# Allegro board BeagleBoard-X15_RevA2.brd (continued)
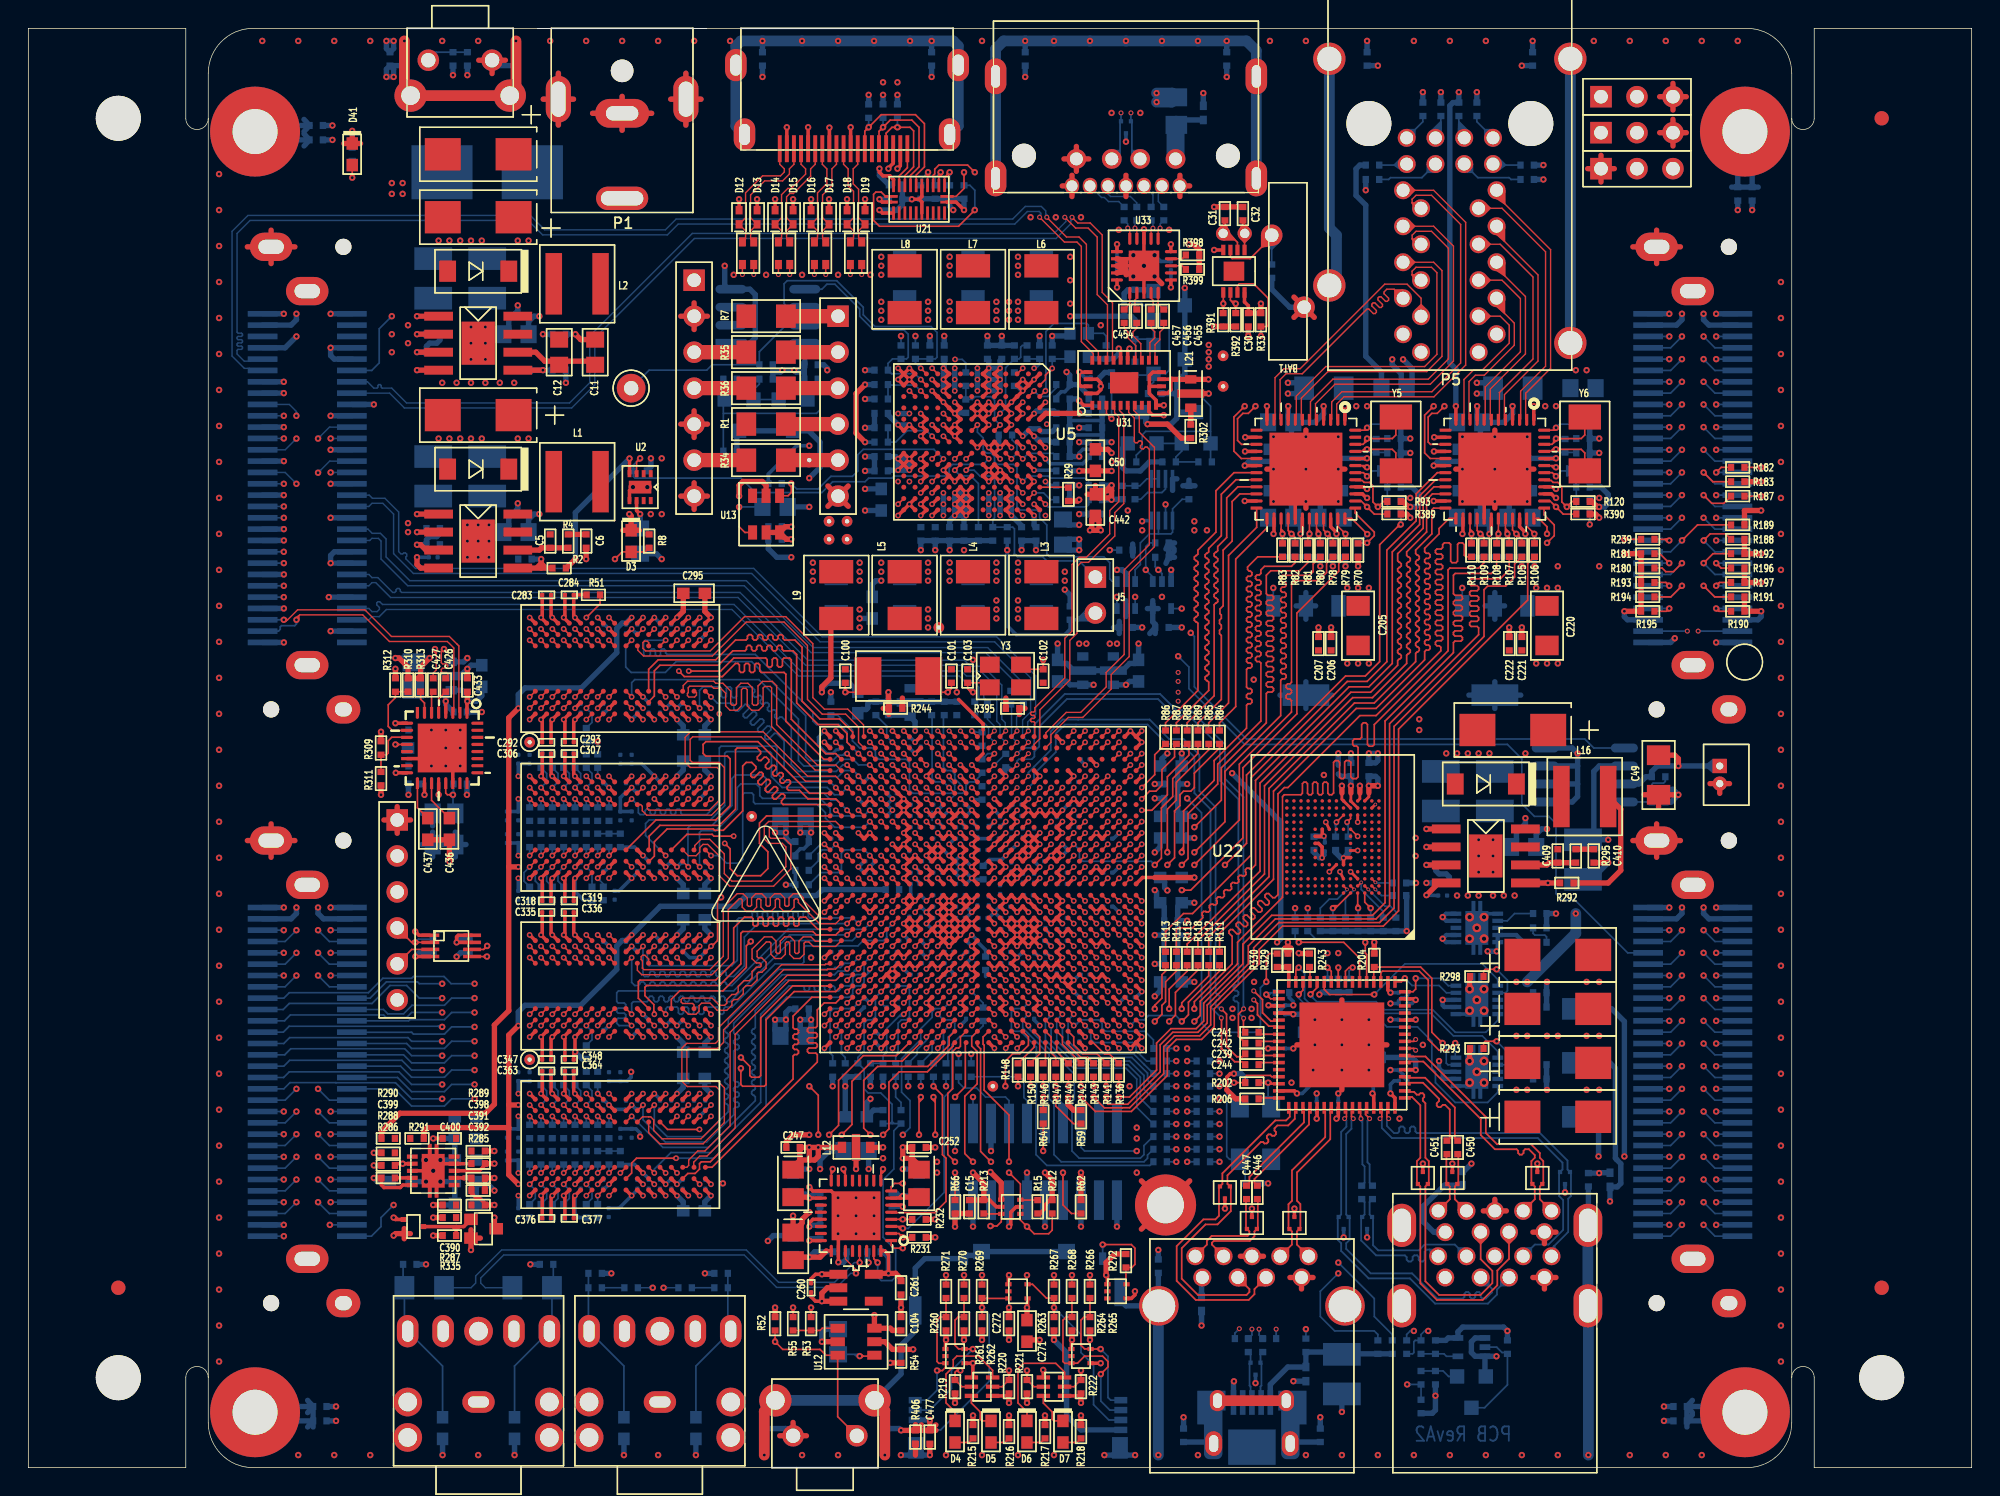
[diagram p0: board, top side]
## Routing (per net, layer and track width the routed paths; a pad name or vN(x,y) marks a point on that pad's centre or on a via; arc(x,y) is an arc through that point) (continued)
  BOTTOM w0.12: v1(39.38,48.01) 39.78,48.41 39.78,49 R362.1
DDR1_D0: length 23.9
  TOP w0.12: U11.AF25 v1(58.59,50.41) ; v1(44.98,58.41) U23.E3
  BOTTOM w0.12: v1(58.59,50.41) 57.79,51.21 57.79,51.94 57.28,52.45 55.63,52.45 55.37,52.7 55.37,53.34 51.31,57.4 45.08,57.4 44.98,57.51 44.98,57.68 44.87,57.78 44.72,57.78 44.62,57.68 44.62,57.38 44.51,57.28 44.36,57.28 44.26,57.38 44.26,57.68 44.15,57.78 44,57.78 43.9,57.68 43.9,57.38 43.79,57.28 43.55,57.28 43.43,57.4 43.43,58.29 43.55,58.41 v1(44.98,58.41)
DDR1_D1: length 24.1
  TOP w0.12: v1(42.58,58.41) U23.H3 ; U11.AF26 v1(57.79,50.41)
  BOTTOM w0.12: v1(57.79,50.41) 57.67,50.29 57.15,50.29 56.77,49.91 55.12,49.91 54.86,50.16 54.86,53.09 51.05,56.9 45.72,56.9 44.96,56.13 42.55,56.13 42.16,56.52 42.16,57.99 v1(42.58,58.41)
DDR1_D2: length 24.3
  TOP w0.12: U23.F8 43.78,54.07 44.18,54.47 44.18,56.25 44.58,56.64 48.7,56.64 49.72,57.66 50.58,57.66 50.69,57.76 50.69,57.93 50.79,58.04 50.94,58.04 51.05,57.93 51.05,57.76 51.15,57.66 51.3,57.66 51.41,57.76 51.41,57.93 51.51,58.04 51.66,58.04 51.77,57.93 51.77,57.76 51.87,57.66 52.02,57.66 52.13,57.76 52.13,57.93 52.23,58.04 52.38,58.04 52.49,57.93 52.49,57.76 52.59,57.66 52.74,57.66 52.84,57.76 52.84,57.93 52.95,58.04 53.1,58.04 53.2,57.93 53.2,57.76 53.31,57.66 53.98,57.66 54.23,57.4 54.23,53.98 55.75,52.45 57.15,52.45 57.79,51.82 57.79,51.77 57.79,51.77 57.79,51.44 57.79,51.44 57.79,51.21 U11.AG26
DDR1_D3: length 24.1
  TOP w0.12: U11.AH26 58.19,51.92 57.26,52.85 55.86,52.85 54.61,54.1 54.61,57.91 54.1,58.42 53.38,58.42 53.27,58.53 53.27,58.7 53.17,58.8 53.02,58.8 52.91,58.7 52.91,58.53 52.81,58.42 52.66,58.42 52.55,58.53 52.55,58.7 52.45,58.8 52.3,58.8 52.19,58.7 52.19,58.53 52.09,58.42 51.94,58.42 51.83,58.53 51.83,58.7 51.73,58.8 51.58,58.8 51.47,58.7 51.47,58.53 51.37,58.42 51.22,58.42 51.11,58.53 51.11,58.7 51.01,58.8 50.86,58.8 50.76,58.7 50.76,58.53 50.65,58.42 49.91,58.42 48.51,57.02 44.45,57.02 43.78,56.36 U23.F7
DDR1_D4: length 24
  TOP w0.12: U11.AF24 v1(59.39,50.41) ; v1(43.38,59.21) U23.G2
  INT_L3 w0.094: v1(43.38,59.21) 43.08,59.21 42.93,59.06 42.93,58.28 43.08,58.14 44.44,58.14 44.63,58.33 44.63,59.36 44.92,59.66 48.93,59.66 55.5,53.09 56.3,53.09 57.69,51.69 57.91,51.69 59.2,50.41 v1(59.39,50.41)
DDR1_D5: length 23.6
  TOP w0.12: U11.AE24 v1(59.39,49.61) ; v1(42.58,54.41) U23.H7
  BOTTOM w0.12: v1(59.39,49.61) 58.6,49.61 58.2,50.01 57.37,50.01 56.9,49.53 54.74,49.53 54.36,49.91 54.36,52.83 51.56,55.63 42.8,55.63 42.58,55.41 v1(42.58,54.41)
DDR1_D6: length 24.3
  TOP w0.12: v1(44.18,59.21) U23.F2 ; U11.AF23 v1(60.19,50.41)
  INT_L3 w0.094: v1(44.18,59.21) 43.78,59.61 43.26,59.61 43.03,59.84 43.03,60.18 43.31,60.45 48.64,60.45 55.63,53.47 56.37,53.47 57.51,52.32 57.86,52.32 59.4,50.78 59.71,50.78 60.08,50.41 v1(60.19,50.41)
DDR1_D7: length 23.9
  TOP w0.12: U11.AE23 v1(60.19,49.61) ; v1(42.58,53.61) U23.H8
  SIG_L10 w0.094: v1(42.58,53.61) 42.93,53.25 42.93,52.7 43.69,51.94 47.62,51.94 51.94,47.62 60.33,47.62 60.58,47.88 60.58,49.21 v1(60.19,49.61)
DDR1_D8: length 21.5
  TOP w0.12: v1(45.78,54.41) U23.D7 ; U11.AC23 v1(60.19,48.01)
  INT_L3 w0.094: v1(45.78,54.41) 44.96,55.23 44.96,55.63 45.09,55.75 48.01,55.75 56.18,47.58 59.76,47.58 v1(60.19,48.01)
DDR1_D9: length 21.4
  TOP w0.12: v1(46.61,56.23) 48.86,56.23 49.78,57.15 52.04,57.15 52.15,57.04 52.15,56.62 52.25,56.52 52.4,56.52 52.51,56.62 52.51,57.04 52.61,57.15 52.76,57.15 52.87,57.04 52.87,56.62 52.97,56.52 53.12,56.52 53.23,56.62 53.23,57.04 53.33,57.15 53.73,57.15 53.85,57.03 53.85,52.83 56.27,50.41 56.99,50.41 U11.AF27 ; v1(46.58,58.41) U23.C3
  SIG_L5 w0.094: v1(46.61,56.23) 46.61,58.38 v1(46.58,58.41)
DDR1_D10: length 21.5
  TOP w0.12: v1(48.18,58.41) U23.A3 ; U11.AG27 v1(56.98,51.21)
  INT_L3 w0.094: v1(56.98,51.21) 56.63,51.56 55.88,51.56 55.64,51.81 55.64,52.31 53.06,54.89 52.94,54.89 52.41,54.36 52.29,54.36 52.21,54.44 52.21,54.56 52.74,55.09 52.74,55.21 52.66,55.29 52.55,55.29 52.03,54.77 51.91,54.77 51.83,54.85 51.83,54.97 52.35,55.49 52.35,55.6 52.26,55.69 52.15,55.69 51.63,55.17 51.51,55.17 51.43,55.25 51.43,55.37 51.95,55.89 51.95,56 51.86,56.09 51.75,56.09 51.23,55.57 51.11,55.57 51.03,55.65 51.03,55.77 51.55,56.28 51.55,56.4 51.47,56.48 51.35,56.48 50.83,55.97 50.71,55.97 50.63,56.05 50.63,56.17 51.15,56.68 51.15,56.8 50.99,56.96 50.86,56.96 50.55,56.64 50.42,56.64 48.65,58.41 v1(48.18,58.41)
DDR1_D11: length 21.7
  TOP w0.12: U11.AF28 56.15,50.01 53.47,52.68 53.47,56.01 53.34,56.13 51.73,56.13 51.62,56.24 51.62,56.66 51.52,56.77 51.37,56.77 51.26,56.66 51.26,56.24 51.16,56.13 51.01,56.13 50.91,56.24 50.91,56.66 50.8,56.77 50.65,56.77 50.55,56.66 50.55,56.24 50.44,56.13 50.29,56.13 50.19,56.24 50.19,56.66 50.08,56.77 49.91,56.77 48.98,55.84 46.3,55.84 v1(45.91,56.23) ; v1(46.58,53.61) U23.C8
  SIG_L5 w0.094: v1(45.91,56.23) 46.58,55.56 v1(46.58,53.61)
DDR1_D12: length 21.6
  TOP w0.12: U11.AE26 v1(57.79,49.61) ; v1(47.38,53.61) U23.B8
  BOTTOM w0.12: v1(47.38,53.61) 47.37,53.62 47.37,54.86 47.62,55.12 48.81,55.12 48.91,55.01 48.91,54.46 49.02,54.36 49.17,54.36 49.27,54.46 49.27,55.01 49.38,55.12 49.52,55.12 49.63,55.01 49.63,54.46 49.74,54.36 49.88,54.36 49.99,54.46 49.99,55.01 50.1,55.12 51.05,55.12 51.26,54.91 51.26,54.76 51.16,54.66 51.16,54.51 51.26,54.4 51.41,54.4 51.51,54.51 51.66,54.51 51.77,54.4 51.77,54.25 51.66,54.15 51.66,54 51.77,53.89 51.92,53.89 52.02,54 52.17,54 52.28,53.89 52.28,53.75 52.17,53.64 52.17,53.49 52.28,53.39 52.43,53.39 52.53,53.49 52.68,53.49 52.79,53.39 52.79,53.24 52.68,53.13 52.68,52.98 52.79,52.88 52.94,52.88 53.04,52.98 53.19,52.98 53.85,52.32 53.85,49.66 54.36,49.15 57.02,49.15 57.48,49.61 v1(57.79,49.61)
DDR1_D13: length 21.7
  TOP w0.12: v1(48.18,59.21) U23.A2 ; U11.AC25 v1(58.59,48.01)
  SIG_L5 w0.094: v1(48.18,59.21) 48.16,59.21 47.75,58.8 47.75,57.96 47.83,57.88 47.92,57.88 48.01,57.8 48.01,57.68 47.92,57.6 47.83,57.6 47.75,57.52 47.75,57.4 47.83,57.32 47.92,57.32 48.01,57.24 48.01,57.12 47.92,57.04 47.83,57.04 47.75,56.95 47.75,56.84 47.83,56.75 47.92,56.75 48.01,56.67 48.01,56.55 47.92,56.47 47.83,56.47 47.75,56.39 47.75,55.37 48.77,54.36 v1(48.77,53.21)
  SIG_L10 w0.094: v1(58.59,48.01) 58.2,48.39 51.82,48.39 48.77,51.44 v1(48.77,53.21)
DDR1_D14: length 21.4
  TOP w0.12: v1(46.58,59.21) U23.C2 ; U11.AC24 v1(59.39,48.01)
  INT_L3 w0.094: v1(59.39,48.01) 58.96,48.43 56.22,48.43 47.62,57.02 46.36,57.02 45.34,58.04 45.34,58.52 45.62,58.81 U23.C2 v1(46.58,59.21)
DDR1_D15: length 21.4
  TOP w0.12: U11.AD25 v1(58.59,48.81) ; v1(48.18,54.41) U23.A7
  BOTTOM w0.12: v1(48.18,54.41) 48.63,53.96 49.69,53.96 49.8,53.86 49.8,53.53 49.92,53.41 50.12,53.41 50.59,53.88 50.76,53.88 50.88,53.76 50.88,53.61 50.46,53.19 50.46,53.04 50.57,52.94 50.72,52.94 51.14,53.36 51.29,53.36 51.39,53.26 51.39,53.11 50.97,52.68 50.97,52.53 51.08,52.43 51.22,52.43 51.65,52.85 51.8,52.85 51.9,52.75 51.9,52.6 51.48,52.18 51.48,52.03 51.58,51.92 51.73,51.92 52.16,52.34 52.3,52.34 52.41,52.24 52.41,52.09 51.99,51.67 51.99,51.52 52.09,51.41 52.24,51.41 52.66,51.83 52.81,51.83 53.34,51.31 53.34,49.4 53.98,48.77 57.15,48.77 57.59,49.21 58.24,49.21 58.59,48.86 v1(58.59,48.81)
DDR1_D16: length 25
  TOP w0.12: U11.V20 v1(62.59,44.01) ; v1(44.18,47.21) U24.E3
  INT_L3 w0.094: v1(62.59,44.01) 62.36,44.01 61.94,43.58 61.63,43.58 61.41,43.36 61.41,43.05 61.14,42.78 60.83,42.78 60.56,42.52 60.56,42.25 60.34,42.03 55.89,42.03 55.25,42.67 49.4,42.67 48.26,43.81 45.47,43.81 43.43,45.85 43.43,46.99 43.65,47.21 v1(44.18,47.21)
DDR1_D17: length 24.7
  TOP w0.12: v1(42.58,42.41) U24.H8 ; U11.W20 v1(62.59,44.81)
  INT_L3 w0.094: v1(42.58,42.41) 42.95,42.04 54.99,42.04 55.8,41.23 60.34,41.23 60.61,41.49 60.61,41.76 60.83,41.98 61.1,41.98 61.36,42.25 61.36,42.52 61.63,42.78 61.9,42.78 62.16,43.05 62.16,43.32 62.43,43.58 62.7,43.58 62.99,43.88 62.99,44.4 v1(62.59,44.81)
DDR1_D18: length 24.9
  TOP w0.12: U11.AB28 53.27,46.81 53.15,46.92 53.15,47.07 53.39,47.3 53.39,47.45 53.28,47.56 53.13,47.56 52.77,47.2 52.62,47.2 52.52,47.3 52.52,47.45 52.88,47.81 52.88,47.96 52.77,48.07 52.62,48.07 52.26,47.71 52.12,47.71 52.01,47.81 52.01,47.96 52.37,48.32 52.37,48.47 52.26,48.57 52.12,48.57 51.76,48.21 51.61,48.21 51.5,48.32 51.5,48.47 51.86,48.83 51.86,48.98 51.76,49.08 51.61,49.08 51.25,48.72 51.1,48.72 50.99,48.83 50.99,48.98 51.35,49.34 51.35,49.49 51.05,49.78 50.67,49.78 50.42,49.53 50.42,46.35 49.05,44.99 48.44,44.99 48.34,45.09 45.09,45.09 44.18,44.18 44.18,43.17 43.82,42.81 U24.F8
DDR1_D19: length 25.2
  TOP w0.12: U11.AC28 55.14,47.61 51.49,51.25 47.82,51.25 47.62,51.05 47.62,50.42 47.82,50.23 49.34,50.23 49.53,50.04 49.53,46.74 48.51,45.72 44.3,45.72 U24.H7
DDR1_D20: length 24.8
  TOP w0.12: U11.AC27 v1(56.99,48.01) ; v1(42.58,47.21) U24.H3
  BOTTOM w0.12: v1(56.99,48.01) 56.6,48.39 53.47,48.39 52.83,49.02 52.83,50.81 52.71,50.93 48.89,50.93 48.77,50.8 48.77,46.99 47.88,46.1 46.16,46.1 46.05,46.21 46.05,46.38 45.94,46.48 45.8,46.48 45.69,46.38 45.69,46.21 45.58,46.1 45.44,46.1 45.33,46.21 45.33,46.38 45.23,46.48 45.08,46.48 44.97,46.38 44.97,46.21 44.87,46.1 44.72,46.1 44.61,46.21 44.61,46.38 44.51,46.48 44.36,46.48 44.25,46.38 44.25,46.21 44.15,46.1 44,46.1 43.89,46.21 43.89,46.38 43.79,46.48 43.64,46.48 43.53,46.38 43.53,46.21 43.43,46.1 43.18,46.1 43.05,46.23 43.05,46.74 v1(42.58,47.21)
DDR1_D21: length 24.9
  TOP w0.12: U11.Y19 v1(63.39,45.61) ; v1(43.38,48.01) U24.G2
  INT_L3 w0.094: v1(63.39,45.61) 63.01,45.23 62.48,45.23 62.21,44.96 62.21,44.65 61.99,44.43 61.68,44.43 61.63,44.38 61.63,44.38 61.36,44.12 61.36,43.85 61.14,43.63 60.88,43.63 60.56,43.32 60.56,43.05 60.31,42.8 55.88,42.8 55.5,43.18 49.53,43.18 48.51,44.2 47.76,44.2 44.35,47.61 43.78,47.61 v1(43.38,48.01)
DDR1_D22: length 25.2
  TOP w0.12: U24.F7 43.81,43.64 43.81,44.58 44.58,45.34 48.77,45.34 49.91,46.48 49.91,50.68 50.03,50.8 51.44,50.8 51.68,50.55 51.68,50.4 51.45,50.17 51.45,50.02 51.56,49.92 51.71,49.92 51.94,50.15 52.09,50.15 52.26,49.97 52.26,49.82 52.03,49.59 52.03,49.44 52.13,49.34 52.28,49.34 52.52,49.57 52.66,49.57 52.77,49.46 52.77,49.32 52.54,49.08 52.54,48.94 52.64,48.83 52.79,48.83 53.02,49.06 53.17,49.06 53.28,48.96 53.28,48.81 53.05,48.58 53.05,48.43 53.15,48.32 53.3,48.32 53.53,48.55 53.68,48.55 53.79,48.45 53.79,48.3 53.56,48.07 53.56,47.92 53.66,47.81 54.42,47.81 55.03,47.21 56.99,47.21 U11.AB27
DDR1_D23: length 24.9
  TOP w0.12: U11.Y20 v1(62.59,45.61) ; v1(44.18,48.01) U24.F2
  INT_L3 w0.094: v1(44.18,48.01) 44.42,48.01 47.85,44.58 49.15,44.58 50.14,43.58 50.36,43.58 50.45,43.66 50.45,43.73 50.53,43.81 50.65,43.81 50.73,43.73 50.73,43.66 50.81,43.58 50.93,43.58 51.01,43.66 51.01,43.73 51.09,43.81 51.21,43.81 51.29,43.73 51.29,43.66 51.38,43.58 51.49,43.58 51.58,43.66 51.58,43.73 51.66,43.81 51.77,43.81 51.86,43.73 51.86,43.66 51.94,43.58 52.06,43.58 52.14,43.66 52.14,43.73 52.22,43.81 52.34,43.81 52.42,43.73 52.42,43.66 52.5,43.58 52.62,43.58 52.7,43.66 52.7,43.73 52.79,43.81 52.9,43.81 52.98,43.73 52.98,43.66 53.07,43.58 53.18,43.58 53.27,43.66 53.27,43.73 53.35,43.81 53.47,43.81 53.55,43.73 53.55,43.66 53.63,43.58 53.75,43.58 53.83,43.66 53.83,43.73 53.91,43.81 54.03,43.81 54.11,43.73 54.11,43.66 54.2,43.58 54.31,43.58 54.39,43.66 54.39,43.73 54.48,43.81 54.59,43.81 54.68,43.73 54.68,43.66 54.76,43.58 54.88,43.58 54.96,43.66 54.96,43.73 55.04,43.81 55.16,43.81 55.24,43.73 55.24,43.66 55.32,43.58 55.44,43.58 55.52,43.66 55.52,43.73 55.6,43.81 55.72,43.81 55.8,43.73 55.8,43.66 55.89,43.58 59.98,43.58 61.61,45.21 61.97,45.21 62.36,45.61 v1(62.59,45.61)
DDR1_D24: length 19.4
  TOP w0.12: U24.D7 46.48,44.7 48.26,44.7 48.39,44.58 v1(49.78,44.58) ; U11.AA23 v1(60.19,46.41)
  INT_L3 w0.094: v1(60.19,46.41) 60.49,46.1 61.09,46.1 61.36,45.82 61.36,45.45 60.3,44.38 49.98,44.38 v1(49.78,44.58)
DDR1_D25: length 19.4
  TOP w0.12: U11.Y22 v1(60.99,45.61) ; v1(46.58,47.21) U24.C3
  INT_L3 w0.094: v1(60.99,45.61) 60.61,45.23 55.86,45.23 52.07,49.02 49.28,49.02 49.02,48.77 49.02,46.99 48.77,46.74 47.05,46.74 v1(46.58,47.21)
DDR1_D26: length 19.3
  TOP w0.12: U11.Y23 v1(60.19,45.61) ; v1(48.18,47.21) U24.A3
  INT_L3 w0.094: v1(60.19,45.61) 59.81,45.98 59.06,45.98 58.67,45.59 56.01,45.59 50.42,51.18 48.89,51.18 48.58,50.87 48.58,47.61 v1(48.18,47.21)
DDR1_D27: length 19.5
  TOP w0.12: U11.AA24 v1(59.39,46.41) ; v1(47.38,42.41) U24.B8
  BOTTOM w0.12: v1(59.39,46.41) 59.36,46.41 58.96,46.01 56.82,46.01 56.59,46.24 56.59,46.54 55.88,47.24 51.82,47.24 51.63,47.43 51.63,48.01 51.38,48.26 50.28,48.26 50.04,48.01 50.04,46.48 48.51,44.96 47.49,44.96 47.37,44.84 47.37,42.42 v1(47.38,42.41)
DDR1_D28: length 19
  TOP w0.12: U11.Y24 v1(59.39,45.61) ; v1(48.18,43.21) U24.A7
  BOTTOM w0.12: v1(48.18,43.21) 48.74,43.21 49.28,42.67 50.16,42.67 50.42,42.93 50.42,47.51 50.54,47.62 51.06,47.62 51.18,47.51 51.18,46.99 51.31,46.86 55.63,46.86 56.26,46.23 56.26,45.85 56.9,45.21 58.99,45.21 v1(59.39,45.61)
DDR1_D29: length 19.3
  TOP w0.12: U11.AA26 v1(57.79,46.41) ; v1(46.58,42.41) U24.C8
  BOTTOM w0.12: v1(46.58,42.41) 46.56,42.43 46.56,45.16 46.74,45.34 48.26,45.34 49.66,46.74 49.66,48.64 49.91,48.9 51.82,48.9 52.07,48.64 52.07,47.76 52.19,47.64 56.12,47.64 56.64,47.12 57.07,47.12 v1(57.79,46.41)
DDR1_D30: length 19.4
  TOP w0.12: v1(48.18,48.01) U24.A2 ; U11.AA25 v1(58.59,46.41)
  INT_L3 w0.094: v1(58.59,46.41) 58.16,45.98 56.13,45.98 50.55,51.56 47.37,51.56 46.99,51.18 46.99,48.64 47.24,48.39 47.8,48.39 v1(48.18,48.01)
DDR1_D31: length 19.2
  TOP w0.12: U11.AA28 52.1,46.01 51.6,45.51 51.6,44.07 52.2,43.48 52.2,42.29 51.69,41.78 50.04,41.78 49.53,42.29 49.53,43.69 v1(49.15,44.07) ; v1(46.58,48.01) U24.C2
  SIG_L5 w0.094: v1(49.15,44.07) 46.99,46.23 46.99,47.6 v1(46.58,48.01)
DDR1_DQM0: length 23.6
  TOP w0.12: U11.AD23 v1(60.19,48.81) ; v1(44.98,54.41) U23.E7
  SIG_L10 w0.094: v1(60.19,48.81) 59.84,49.15 51.69,49.15 49.15,51.69 49.15,53.72 48.89,53.98 48.01,53.98 47.75,53.72 47.75,52.58 47.5,52.32 44.7,52.32 44.58,52.45 44.58,54 v1(44.98,54.41)
DDR1_DQM1: length 21.5
  TOP w0.12: U11.AB23 v1(60.19,47.21) ; v1(45.78,58.41) U23.D3
  INT_L3 w0.094: v1(45.78,58.41) 46.66,57.53 48.01,57.53 56.26,49.28 59.44,49.28 59.68,49.03 59.68,48.78 59.94,48.51 60.33,48.51 60.58,48.26 60.58,47.6 v1(60.19,47.21)
DDR1_DQM2: length 24.9
  TOP w0.12: v1(44.98,43.21) U24.E7 ; U11.AC26 v1(57.79,48.01)
  BOTTOM w0.12: v1(44.98,43.21) 43.56,44.63 43.56,45.47 43.81,45.72 48.13,45.72 49.15,46.74 49.15,50.42 49.28,50.55 52.33,50.55 52.45,50.43 52.45,48.77 53.21,48.01 56.38,48.01 56.9,47.5 57.28,47.5 v1(57.79,48.01)
DDR1_DQM3: length 19
  TOP w0.12: U11.AA27 v1(56.99,46.41) ; v1(45.78,47.21) U24.D3
  INT_L3 w0.094: v1(56.99,46.41) 56.21,46.41 50.67,51.94 46.48,51.94 46.23,51.69 46.23,47.65 v1(45.78,47.21)
DDR1_DQS0: length 24
  TOP w0.102: U23.F3 43.78,58.24 43.68,58.34 43.48,58.34 43.38,58.24 43.38,57.84 43.57,57.65 48.13,57.65 50.55,60.07 53.46,60.07 55.37,58.16 55.37,54.36 56.18,53.55 57.83,53.55 58.95,52.43 58.95,51.64 U11.AH25
DDR1_DQS1: length 21.2
  TOP w0.102: U11.AE27 57,49.6 55.68,49.6 52.82,52.46 52.82,55.19 52.51,55.5 51.82,55.5 51.5,55.18 51.5,53.92 51.4,53.82 51.2,53.82 51.09,53.92 51.09,55.06 50.78,55.37 50.29,55.37 49.98,55.06 49.98,53.92 49.88,53.82 49.67,53.82 49.57,53.92 49.57,54.82 49.02,55.37 48.51,55.37 48.37,55.52 46.53,55.52 46.22,55.21 46.22,54.84 U23.C7
DDR1_DQS2: length 25
  TOP w0.102: U11.AD27 56.98,48.81 54.99,48.81 51.86,51.94 46.74,51.94 46.36,51.56 46.36,49.79 46.72,49.43 48.62,49.43 48.77,49.28 48.77,47.11 48.07,46.41 43.79,46.41 43.69,46.52 43.69,46.71 U24.F3
DDR1_DQS3: length 19.3
  TOP w0.102: U24.C7 46.59,43.2 47.13,43.2 47.39,43.46 47.39,43.77 47.62,44 47.95,44 48.76,43.18 48.76,41.79 49.5,41.05 52.6,41.05 53.82,42.27 53.82,43.96 53.36,44.42 52.4,44.42 52.3,44.53 52.3,45.16 52.4,45.26 56.53,45.26 U11.Y28
DDR1_DQS_ECC: length 3.5
  TOP w0.12: U11.V27 v1(56.99,44.01)
  BOTTOM w0.12: v1(56.99,44.01) 56.59,43.61 56.02,43.61 55.75,43.34 55.75,42.83 R274.1
DDR1_DQSN0: length 24
  TOP w0.102: U11.AG25 58.6,51.2 58.6,52.28 57.69,53.19 56.03,53.19 54.99,54.23 54.99,58.04 53.34,59.69 50.67,59.69 48.27,57.3 43.42,57.3 43.02,57.7 43.02,57.97 U23.G3
DDR1_DQSN1: length 21.1
  TOP w0.102: U23.B7 47.06,54.81 47.16,54.71 47.16,54.53 47.03,54.4 46.62,54.4 46.52,54.5 46.52,54.64 46.58,54.7 46.58,55.06 46.68,55.16 48.22,55.16 48.37,55.02 48.87,55.02 49.22,54.67 49.22,53.78 49.53,53.47 50.02,53.47 50.33,53.78 50.33,54.91 50.43,55.02 50.64,55.02 50.74,54.91 50.74,53.78 51.05,53.47 51.55,53.47 51.86,53.78 51.86,55.03 51.97,55.15 52.36,55.15 52.46,55.04 52.46,52.31 55.53,49.24 56.55,49.24 U11.AE28
DDR1_DQSN2: length 24.8
  TOP w0.102: U11.AD28 56.53,48.46 54.84,48.46 51.71,51.59 46.89,51.59 46.71,51.41 46.71,49.94 46.86,49.78 48.76,49.78 49.12,49.42 49.12,46.97 48.22,46.06 43.64,46.06 43.33,46.37 43.33,46.69 43.22,46.81 U24.G3
DDR1_DQSN3: length 19.2
  TOP w0.102: U11.Y27 56.98,45.61 52.25,45.61 51.94,45.3 51.94,44.38 52.25,44.07 53.21,44.07 53.47,43.81 53.47,42.42 52.45,41.4 49.65,41.4 49.12,41.93 49.12,43.32 48.09,44.35 47.47,44.35 47.04,43.91 47.04,43.66 U24.B7
DDR1_DQSN_ECC: length 2
  TOP w0.12: U11.V28 v1(56.19,44.01)
  BOTTOM w0.12: R273.2 55.91,44.01 v1(56.19,44.01)
DDR1_ODT0: length 51.1
  TOP w0.12: U11.AE20 v1(62.59,49.61) ; v1(40.18,48.81) U24.K1 ; v1(40.18,60.01) U23.K1
  INT_L3 w0.094: v1(62.59,49.61) 62.59,49.81 62.16,50.23 62.16,50.56 61.9,50.83 61.63,50.83 61.36,51.09 61.36,51.36 61.1,51.63 60.83,51.63 60.56,51.89 60.56,52.47 59.56,53.47 58.17,53.47 57.15,54.48 57.15,55.5 56.77,55.88 56.6,55.88 56.36,55.64 56.25,55.64 56.16,55.72 56.16,55.84 56.43,56.1 56.43,56.22 56.35,56.3 56.23,56.3 55.97,56.04 55.85,56.04 55.77,56.12 55.77,56.24 56.03,56.5 56.03,56.62 55.95,56.7 55.83,56.7 55.57,56.44 55.45,56.44 55.37,56.52 55.37,56.64 55.63,56.9 55.63,57.02 55.55,57.1 55.43,57.1 55.17,56.84 55.05,56.84 54.97,56.92 54.97,57.04 55.23,57.3 55.23,57.42 55.15,57.5 55.03,57.5 54.77,57.23 54.65,57.23 54.57,57.32 54.57,57.43 54.83,57.7 54.83,57.82 54.75,57.9 54.63,57.9 54.37,57.63 54.25,57.63 54.17,57.72 54.17,57.83 54.44,58.1 54.44,58.21 54.28,58.37 54.16,58.37 53.83,58.04 53.72,58.04 53.63,58.13 53.63,58.24 53.96,58.57 53.96,58.69 51.44,61.21 40.01,61.21 39.75,60.96 39.75,60.44 v1(40.18,60.01) 40.18,59.77 40.58,59.37 40.58,58.22 41.4,57.4 41.4,50.29 40.18,49.07 v1(40.18,48.81)
  BOTTOM w0.12: R360.1 v1(40.18,48.81)
DDR1_RASN: length 50.8
  TOP w0.12: v1(40.98,58.41) U23.J3 ; v1(40.98,47.21) U24.J3 ; U11.AF20 v1(63.39,49.61)
  INT_L3 w0.094: v1(63.39,49.61) 62.96,49.18 62.4,49.18 62.16,49.42 62.16,49.76 61.9,50.03 61.63,50.03 61.36,50.29 61.36,50.56 61.1,50.83 60.83,50.83 60.56,51.09 60.56,51.36 60.3,51.63 60.03,51.63 59.76,51.89 59.76,52.16 58.84,53.09 57.66,53.09 56.52,54.23 55.75,54.23 52.99,56.99 52.99,58.38 53.19,58.58 53.19,58.7 53.11,58.78 52.99,58.78 52.79,58.58 52.67,58.58 52.59,58.66 52.59,58.78 52.79,58.98 52.79,59.1 52.71,59.18 52.59,59.18 52.39,58.98 52.27,58.98 52.19,59.06 52.19,59.18 52.39,59.38 52.39,59.49 52.31,59.58 52.19,59.58 51.99,59.38 51.88,59.38 51.79,59.46 51.79,59.58 51.99,59.78 51.99,59.89 51.91,59.98 51.79,59.98 51.59,59.77 51.48,59.77 51.39,59.86 51.39,59.97 51.6,60.17 51.6,60.29 51.51,60.37 51.4,60.37 51.2,60.17 51.08,60.17 51,60.26 51,60.37 51.2,60.57 51.2,60.69 51.11,60.77 51,60.77 50.8,60.57 50.68,60.57 50.42,60.83 41.02,60.83 40.58,60.39 40.58,59.84 40.82,59.61 41.15,59.61 41.38,59.37 41.38,58.81 v1(40.98,58.41) 41.78,57.61 41.78,50.16 40.82,49.21 40.82,49.21 40.58,48.97 40.58,47.61 v1(40.98,47.21)
  BOTTOM w0.12: R372.1 v1(40.98,47.21)
DDR1_RST: length 50
  TOP w0.12: U11.AG21 v1(61.79,51.21) ; v1(35.38,48.01) U24.T2 ; v1(35.38,59.21) U23.T2
  SIG_L5 w0.094: v1(35.38,59.21) 34.98,58.81 34.98,57.91 35.56,57.33 35.56,55.44 34.98,54.86 34.98,52.45 35.38,52.05 TP20.1 35.38,49.68 34.98,49.28 34.98,48.41 v1(35.38,48.01)
  SIG_L8 w0.094: v1(35.38,59.21) 34.92,58.75 34.92,58.06 35.01,57.98 35.35,57.98 35.43,57.89 35.43,57.78 35.35,57.7 35.01,57.7 34.92,57.61 34.92,57.5 35.01,57.41 35.35,57.41 35.43,57.33 35.43,57.21 35.35,57.13 35.01,57.13 34.92,57.05 34.92,56.64 35.31,56.26 44.32,56.26 44.58,56.01 44.58,51.82 44.81,51.58 60.83,51.58 60.83,51.58 61.45,51.58 61.79,51.24 v1(61.79,51.21)
DDR1_WEN: length 50.8
  TOP w0.12: v1(39.38,47.21) U24.L3 ; v1(39.38,58.41) U23.L3 ; U11.AH21 v1(61.79,52.01)
  INT_L3 w0.094: v1(39.38,58.41) 39.38,57.9 40.13,57.15 40.13,55.88 38.98,54.73 38.98,47.61 v1(39.38,47.21)
  SIG_L8 w0.094: v1(39.38,58.41) 40.13,57.66 42.07,57.66 42.15,57.58 42.15,57.36 42.23,57.28 42.35,57.28 42.43,57.36 42.43,57.58 42.51,57.66 42.63,57.66 42.71,57.58 42.71,57.36 42.79,57.28 42.91,57.28 42.99,57.36 42.99,57.58 43.08,57.66 43.19,57.66 43.28,57.58 43.28,57.36 43.36,57.28 43.48,57.28 43.56,57.36 43.56,57.58 43.64,57.66 43.76,57.66 43.84,57.58 43.84,57.36 43.92,57.28 44.04,57.28 44.12,57.36 44.12,57.58 44.2,57.66 44.32,57.66 44.4,57.58 44.4,57.36 44.49,57.28 44.6,57.28 44.69,57.36 44.69,57.58 44.77,57.66 44.89,57.66 44.97,57.58 44.97,57.36 45.05,57.28 45.17,57.28 45.25,57.36 45.25,57.58 45.33,57.66 45.45,57.66 45.53,57.58 45.53,57.36 45.61,57.28 45.73,57.28 45.81,57.36 45.81,57.58 45.9,57.66 46.01,57.66 46.1,57.58 46.1,57.36 46.18,57.28 46.3,57.28 46.38,57.36 46.38,57.58 46.46,57.66 46.58,57.66 46.66,57.58 46.66,57.36 46.74,57.28 46.86,57.28 46.94,57.36 46.94,57.58 47.02,57.66 47.14,57.66 47.22,57.58 47.22,57.36 47.31,57.28 47.42,57.28 47.51,57.36 47.51,57.58 47.59,57.66 48.01,57.66 48.16,57.5 48.16,57.38 48.03,57.25 48.03,57.13 48.11,57.05 48.22,57.05 48.36,57.19 48.48,57.19 48.56,57.1 48.56,56.99 48.42,56.85 48.42,56.73 48.51,56.65 48.62,56.65 48.76,56.79 48.88,56.79 48.96,56.7 48.96,56.59 48.82,56.45 48.82,56.33 48.91,56.25 49.02,56.25 49.16,56.39 49.28,56.39 49.36,56.31 49.36,56.19 49.22,56.05 49.22,55.93 49.3,55.85 49.42,55.85 49.56,55.99 49.67,55.99 49.76,55.91 49.76,55.79 49.62,55.65 49.62,55.54 49.7,55.45 49.82,55.45 49.96,55.59 50.07,55.59 50.16,55.51 50.16,55.39 50.02,55.25 50.02,55.14 50.1,55.05 50.22,55.05 50.36,55.19 50.47,55.19 50.55,55.11 50.55,54.99 50.42,54.86 50.42,54.74 50.5,54.66 50.62,54.66 50.75,54.79 50.87,54.79 50.95,54.71 50.95,54.59 50.82,54.46 50.82,54.34 50.9,54.26 51.02,54.26 51.15,54.39 51.27,54.39 51.35,54.31 51.35,54.2 51.21,54.06 51.21,53.94 51.3,53.86 51.41,53.86 51.55,54 51.67,54 51.75,53.91 51.75,53.8 51.61,53.66 51.61,53.54 51.7,53.46 51.81,53.46 51.95,53.6 52.07,53.6 52.15,53.51 52.15,53.4 52.01,53.26 52.01,53.14 52.2,52.96 60.83,52.96 v1(61.79,52.01)
  BOTTOM w0.12: R374.1 v1(39.38,47.21)
DDR2_A0: length 48.3
  TOP w0.12: v1(37.78,36) U26.N3 ; v1(37.78,24.8) U25.N3 ; U11.R25 v1(58.59,41.61)
  INT_L3 w0.094: v1(37.78,36) 37.78,35.51 38.61,34.68 38.61,33.48 37.38,32.25 37.38,25.2 v1(37.78,24.8)
  SIG_L8 w0.094: v1(58.59,41.61) 58.13,41.15 54.23,41.15 53.34,40.26 53.21,40.26 52.83,40.64 52.7,40.64 52.55,40.48 52.55,40.37 52.94,39.98 52.94,39.86 52.86,39.78 52.74,39.78 52.35,40.17 52.23,40.17 52.15,40.09 52.15,39.97 52.54,39.58 52.54,39.46 52.46,39.38 52.34,39.38 51.95,39.77 51.83,39.77 51.75,39.69 51.75,39.57 52.14,39.18 52.14,39.06 52.06,38.98 51.94,38.98 51.55,39.37 51.44,39.37 51.35,39.29 51.35,39.17 51.74,38.78 51.74,38.66 51.66,38.58 51.54,38.58 51.15,38.97 51.04,38.97 50.95,38.89 50.95,38.77 51.35,38.38 51.35,38.26 51.26,38.18 51.15,38.18 50.75,38.57 50.64,38.57 50.56,38.49 50.56,38.37 50.82,38.11 50.82,37.99 50.74,37.91 50.62,37.91 50.36,38.17 50.24,38.17 50.08,38.02 50.08,37.9 50.28,37.7 50.28,37.58 50.2,37.5 50.08,37.5 49.88,37.7 49.77,37.7 49.68,37.62 49.68,37.5 49.88,37.3 49.88,37.18 49.8,37.1 49.69,37.1 49.58,37.2 42.28,37.2 42.16,37.08 42.16,35.56 41.78,35.18 38.1,35.18 37.78,35.5 v1(37.78,36)
  BOTTOM w0.12: R355.1 v1(37.78,24.8)
DDR2_A1: length 48.8
  TOP w0.12: v1(36.98,20.8) U25.P7 ; v1(36.98,32) U26.P7 ; U11.R26 v1(57.79,41.61)
  SIG_L8 w0.094: v1(57.79,41.61) 58.21,42.03 59.57,42.03 59.81,41.79 59.81,41.01 58.96,40.17 58.96,38.25 58.74,38.03 58.47,38.03 58.16,37.72 58.16,37.45 57.8,37.08 57.41,37.08 57.33,37.17 57.33,37.51 57.24,37.59 57.13,37.59 57.04,37.51 57.04,37.17 56.96,37.08 56.85,37.08 56.76,37.17 56.76,37.51 56.68,37.59 56.56,37.59 56.48,37.51 56.48,37.17 56.4,37.08 56.28,37.08 56.2,37.17 56.2,37.51 56.12,37.59 56,37.59 55.92,37.51 55.92,37.17 55.83,37.08 55.72,37.08 55.64,37.17 55.64,37.51 55.55,37.59 55.44,37.59 55.35,37.51 55.35,37.17 55.27,37.08 54.74,37.08 50.93,33.27 38.25,33.27 v1(36.98,32)
  SIG_L10 w0.094: v1(36.98,32) 36.58,31.6 36.58,28.47 37.03,28.02 37.03,27.25 36.58,26.8 36.58,24.4 37.03,23.95 37.03,21.99 36.58,21.54 36.58,21.2 v1(36.98,20.8)
  BOTTOM w0.12: R356.1 v1(36.98,20.8)
